# Altium PCB LoRaBoard.PcbDoc (part 1 of 2)
Units mm, origin at the board's own origin, x right, y up, seen from the top; angles counter-clockwise.
Board outline 96 x 92 mm, 2 copper layers (Top Layer, Bottom Layer), stack 1.56 mm thick; 150 components, 127 nets, 535 pads, 612 vias.
Unrouted connection lines stored in the file: 48.
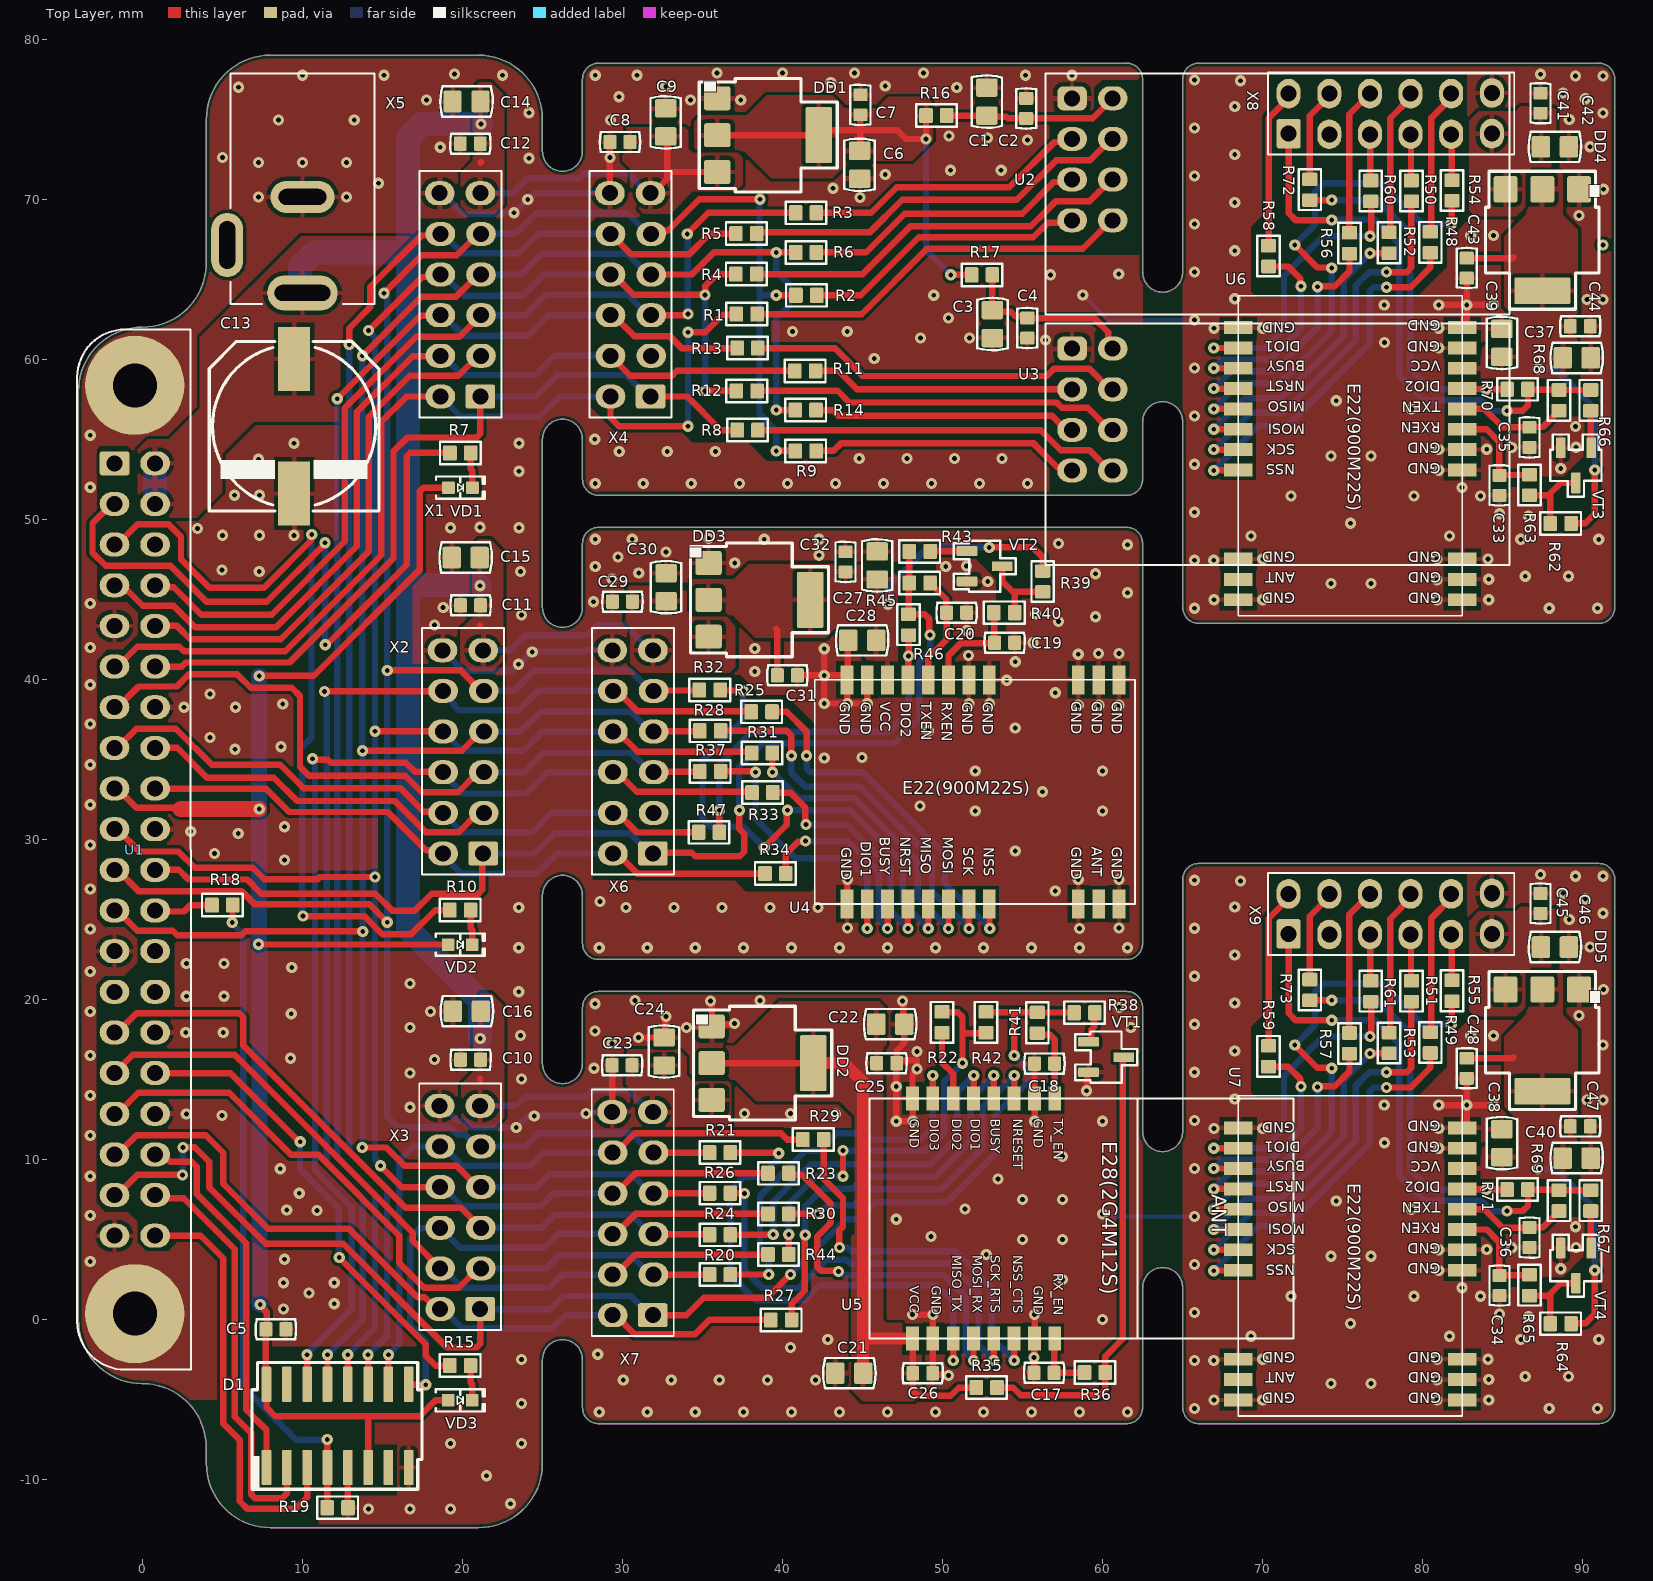
[diagram p0: Top Layer view]
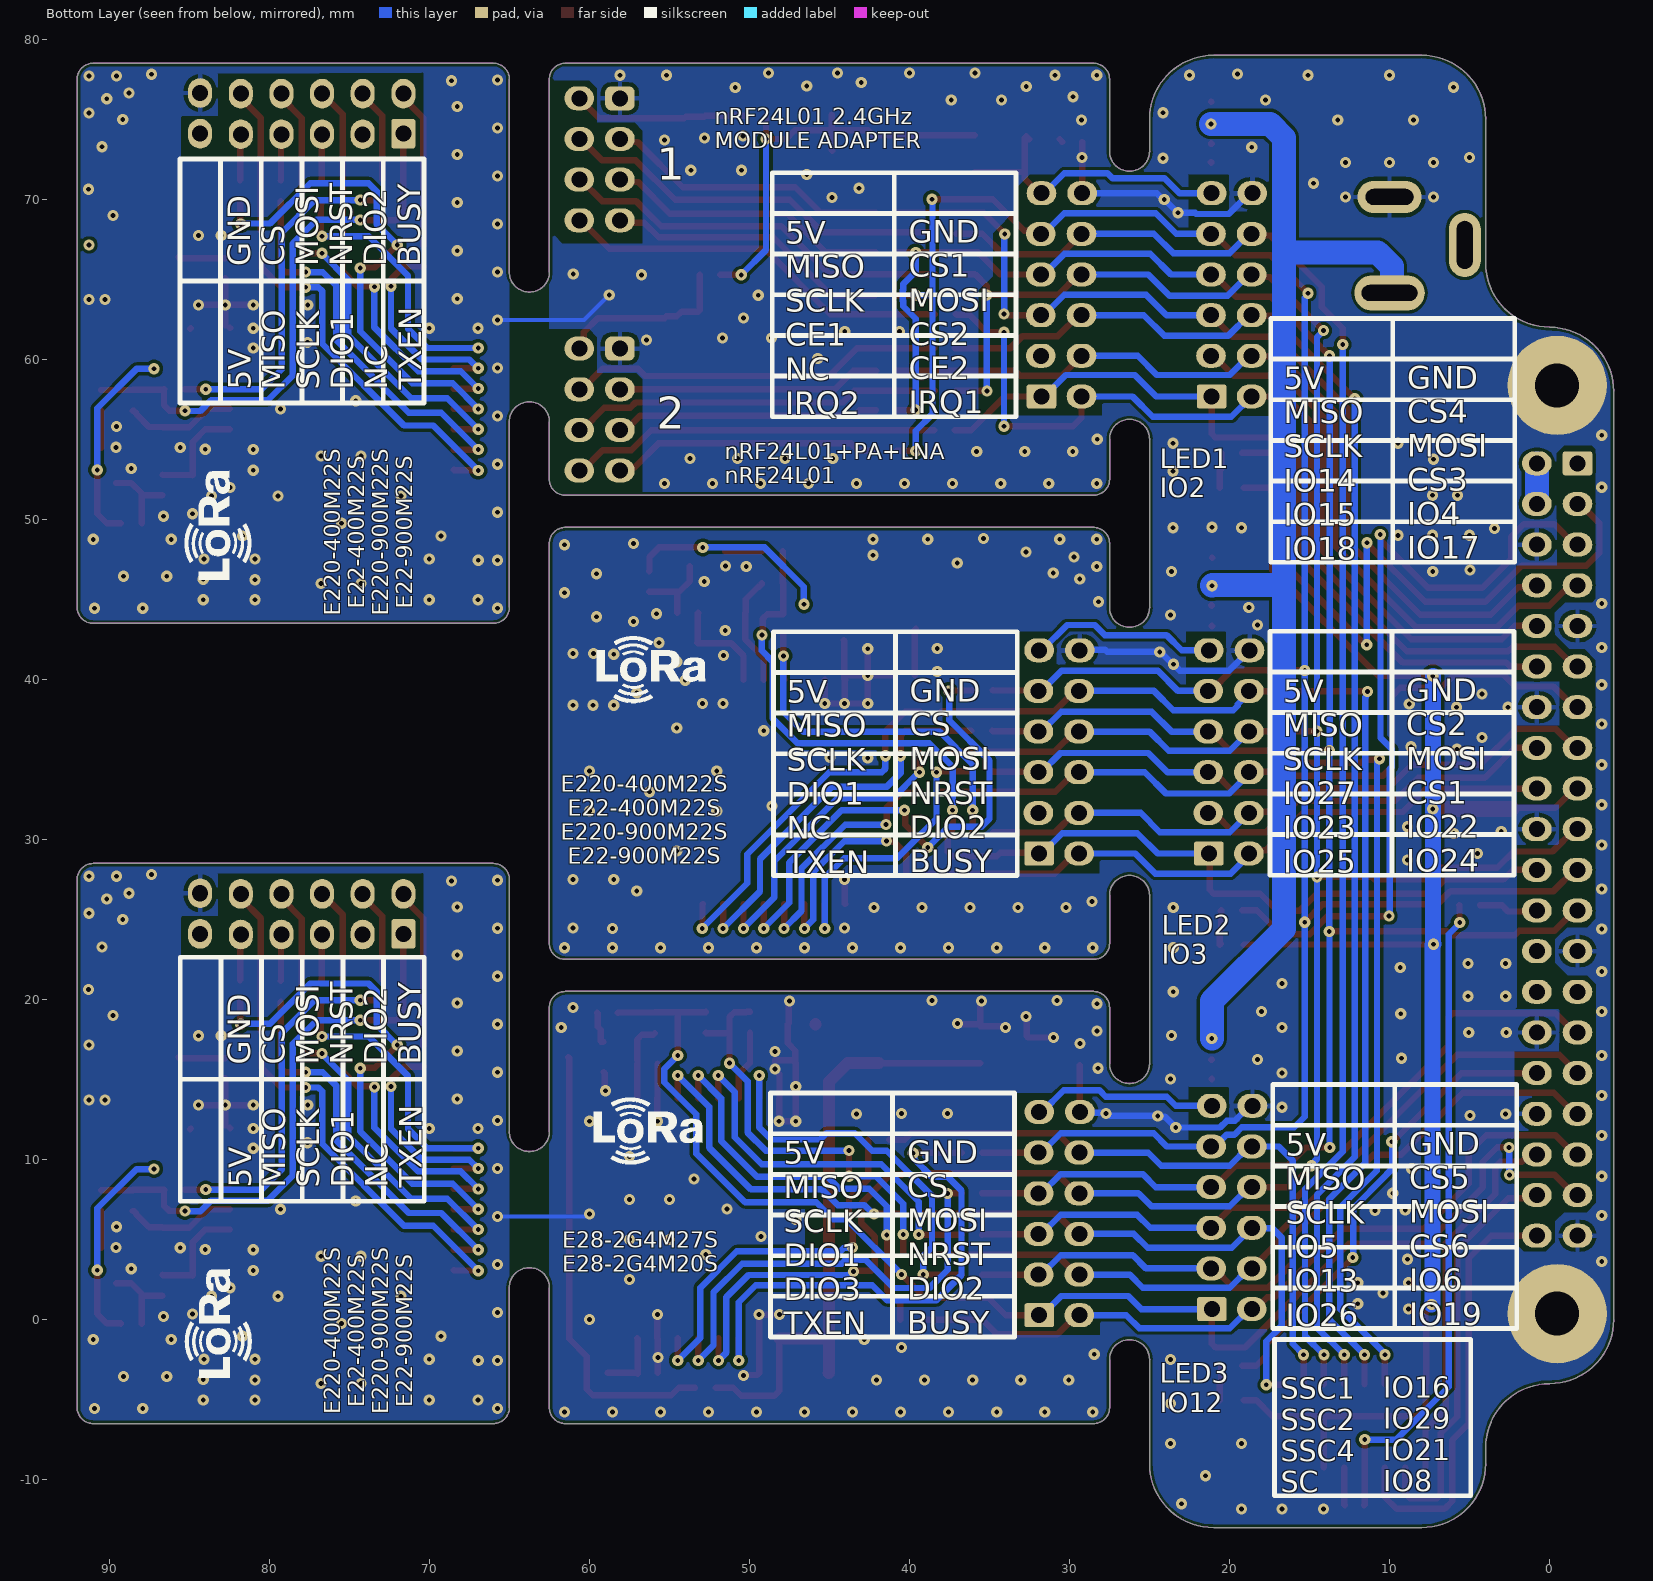
[diagram p1: Bottom Layer view, seen from below]
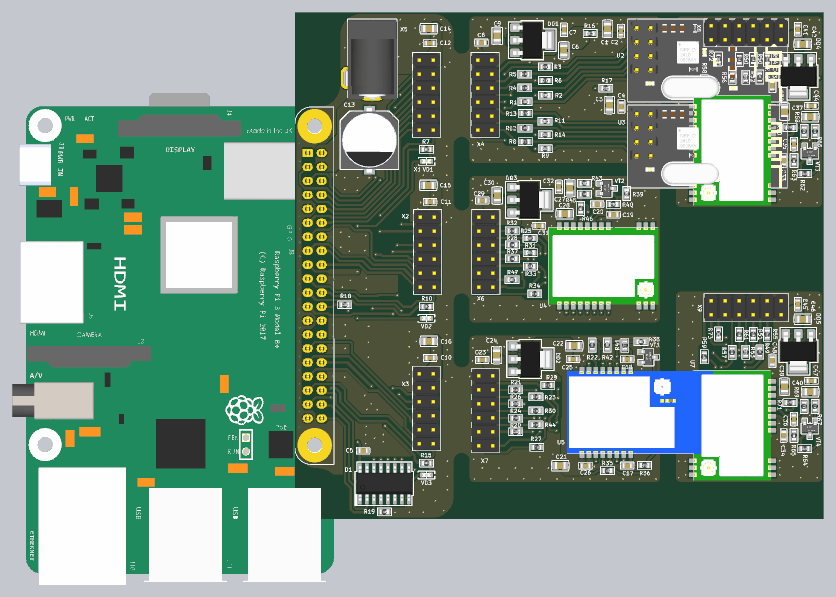
[diagram p3: 3D render of the assembled board from above, using the file's embedded part models]

## Layer stack, top to bottom
Top Solder: solder mask 0.01, Solder Resist, Dk 3.5
Top Layer: signal copper 0.035
Dielectric 1: core 1.49, Core-043, Dk 4.3
Bottom Layer: signal copper 0.035
Bottom Solder: solder mask 0.01, Solder Resist, Dk 3.5

## Board outline
4,-9 ccw(c8,-9) 8,-13 21,-13 ccw(c21,-9) 25,-9 25,-2.5 cw(c26.25,-2.5) 27.5,-2.5 27.5,-5.5 ccw(c28.5,-5.5) 28.5,-6.5 61.5,-6.5 ccw(c61.5,-5.5) 62.5,-5.5 62.5,2 cw(c63.75,2) 65,2 65,-5.5 ccw(c66,-5.5) 66,-6.5 91,-6.5 ccw(c91,-5.5) 92,-5.5 92,27.5 ccw(c91,27.5) 91,28.5 66,28.5 ccw(c66,27.5) 65,27.5 65,11.75 cw(c63.75,11.75) 62.5,11.75 62.5,19.5 ccw(c61.5,19.5) 61.5,20.5 28.5,20.5 ccw(c28.5,19.5) 27.5,19.5 27.5,15.985 27.5,16 cw(c26.25,16) 25,16 25,26.505 cw(c26.25,26.503) 27.5,26.5 27.5,23.5 ccw(c28.5,23.5) 28.5,22.5 61.5,22.5 ccw(c61.5,23.5) 62.5,23.5 62.5,48.5 ccw(c61.5,48.5) 61.5,49.5 28.5,49.5 ccw(c28.5,48.5) 27.5,48.5 27.5,44.5 cw(c26.25,44.5) 25,44.5 25,55 cw(c26.25,55) 27.5,55 27.5,52.5 ccw(c28.5,52.5) 28.5,51.5 61.5,51.5 ccw(c61.5,52.5) 62.5,52.5 62.5,56.1 cw(c63.75,56.1) 65,56.1 65,44.5 ccw(c66,44.5) 66,43.5 91,43.5 ccw(c91,44.5) 92,44.5 92,77.5 ccw(c91,77.5) 91,78.5 66,78.5 ccw(c66,77.5) 65,77.5 65,65.448 cw(c63.75,65.448) 62.5,65.448 62.5,77.5 ccw(c61.5,77.5) 61.5,78.5 28.5,78.5 ccw(c28.5,77.5) 27.5,77.5 27.5,73 cw(c26.25,73) 25,73 25,75 ccw(c21,75) 21,79 8,79 ccw(c8,75) 4,75 4,66.01 cw(c0,66.01) 0,62.01 ccw(c0.005,58.005) -4,58 -4,0 ccw(c0,0) 0,-4 cw(c0,-8) 4,-8

## Design rules (kind name [scope] priority, off if disabled: settings)
Clearance [All] p1: gap=0.2 ignorepadtopadclearanceinfootprint=FALSE except(0: Arc-Hole Track-Hole SMDPad-Hole THPad-Hole Via-Hole Fill-Hole Poly-Hole Region-Hole Text-Hole)
ComponentClearance [All] p1 off: gap=0.254 collisioncheckmode=3 verticalgap=0.254 showdistances=FALSE
HoleSize [All] p1: absolutevalues=TRUE maxlimit=4 minlimit=0.025 maxpercent=80.000 minpercent=20.000
HoleToHoleClearance [All] p1: gap=0.2 allowstackedmicrovias=TRUE
MinimumSolderMaskSliver [All] p1: minsoldermaskwidth=0.15
NetAntennae [All] p1 off: netantennaetolerance=0
PasteMaskExpansion [All] p1: expansion=0.02
PolygonConnect [All] p1: thpad.connectstyle=Relief thpad.reliefconductorwidth=0.3 thpad.reliefentries=4 thpad.polygonreliefangle="90 Angle" thpad.airgapwidth=0.254 smdpad.connectstyle=Relief smdpad.reliefconductorwidth=0.3 smdpad.reliefentries=4 smdpad.polygonreliefangle="90 Angle" smdpad.airgapwidth=0.254 via.connectstyle=Direct via.reliefconductorwidth=0.254 via.reliefentries=4 via.polygonreliefangle="90 Angle" via.airgapwidth=0.254
RoutingVias [All] p1: holewidth=2 width=1.5 viastyle="Through Hole" minholewidth=0.3 minwidth=0.6 maxholewidth=0.75 maxwidth=6
SilkToSilkClearance [All] p1 off: silktosilkclearance=0.254
SilkToSolderMaskClearance [IsPad] p1 off: minsilkscreentomaskgap=0.254 clearancetoexposedcopper=TRUE
SolderMaskExpansion [All] p1: expansion=0.02 istentingtop=FALSE
Width [All] p1: maxlimit=2 minlimit=0.25 preferedwidth=0.4
22 further rules are at their usual default settings.

## Classes and differential pairs
component class LoRaBoard_3: C33 C34 C35 C36 C37 C38 C39 C40 C41 C42 C43 C44 C45 C46 C47 C48 DD4 DD5 R48 R49 R50 R51 R52 R53 R54 R55 R56 R57 R58 R59 R60 R61 R62 R63 R64 R65 R66 R67 R68 R69 R70 R71 R72 R73 U6 U7 VT3 VT4 X8 X9
component class LoRaBoard_2: C17 C18 C19 C20 C21 C22 C23 C24 C25 C26 C27 C28 C29 C30 C31 C32 DD2 DD3 R20 R21 R22 R23 R24 R25 R26 R27 R28 R29 R30 R31 R32 R33 R34 R35 R36 R37 R38 R39 R40 R41 R42 R43 R44 R45 R46 R47 U4 U5 VT1 VT2 X6 X7
component class LoRaBoard_1: C1 C2 C3 C4 C5 C6 C7 C8 C9 C10 C11 C12 C13 C14 C15 C16 D1 DD1 R1 R2 R3 R4 R5 R6 R7 R8 R9 R10 R11 R12 R13 R14 R15 R16 R17 R18 R19 U1 U2 U3 VD1 VD2 VD3 X1 X2 X3 X4 X5

## Components (designator, comment, footprint, x,y, rotation, side; value= is the part's Value field where it differs from the comment)
C1 "10мкФ" "CAP 0805" 52.763,76.101 r270 top
C2 "100nF" "CAP 0603_1608 RF" 55.218,75.676 r270 top
C3 "10мкФ" "CAP 0805" 53.113,62.201 r90 top
C4 "100nF" "CAP 0603_1608 RF" 55.294,61.952 r90 top
C5 "100nF" "CAP 0603_1608 RF" 8.343,-0.61 r180 top
C6 "10мкФ" "CAP 0805" 44.818,72.151 r90 top
C7 "100nF" "CAP 0603_1608 RF" 44.868,75.901 r270 top
C8 "100nF" "CAP 0603_1608 RF" 29.838,73.576 r0 top
C9 "10мкФ" "CAP 0805" 32.7,74.8 r270 top
C10 "100nF" "CAP 0603_1608 RF" 20.508,16.243 r0 top
C11 "100nF" "CAP 0603_1608 RF" 20.508,44.621 r0 top
C12 "100nF" "CAP 0603_1608 RF" 20.49,73.477 r0 top
C13 "330 мкФ" "CAP ALSMD ELEC 10.5x10.0 mm" 9.483,55.817 r270 top
C14 "10мкФ" "CAP 0805" 20.256,76.108 r0 top
C15 "10мкФ" "CAP 0805" 20.202,47.613 r0 top
C16 "10мкФ" "CAP 0805" 20.278,19.266 r0 top
C17 "100nF" "CAP 0603_1608 RF" 56.341,-3.327 r0 top
C18 "100nF" "CAP 0603_1608 RF" 56.366,15.998 r180 top
C19 "100nF" "CAP 0603_1608 RF" 53.877,42.294 r180 top
C20 "100nF" "CAP 0603_1608 RF" 50.877,44.169 r0 top
C21 "10мкФ" "CAP 0805" 44.175,-3.35 r0 top
C22 "10мкФ" "CAP 0805" 46.73,18.458 r180 top
C23 "100nF" "CAP 0603_1608 RF" 29.976,15.883 r0 top
C24 "10мкФ" "CAP 0805" 32.6,16.75 r270 top
C25 "100nF" "CAP 0603_1608 RF" 46.505,16.023 r180 top
C26 "100nF" "CAP 0603_1608 RF" 48.766,-3.352 r180 top
C27 "10мкФ" "CAP 0805" 45.912,47.119 r270 top
C28 "10мкФ" "CAP 0805" 44.977,42.444 r0 top
C29 "100nF" "CAP 0603_1608 RF" 29.997,44.859 r0 top
C30 "10мкФ" "CAP 0805" 32.722,45.759 r270 top
C31 "100nF" "CAP 0603_1608 RF" 40.302,40.25 r180 top
C32 "100nF" "CAP 0603_1608 RF" 43.932,47.344 r270 top
C33 "100nF" "CAP 0603_1608 RF" 84.794,52.123 r90 top locked
C34 "100nF" "CAP 0603_1608 RF" 84.794,2.123 r90 top
C35 "100nF" "CAP 0603_1608 RF" 86.669,55.123 r270 top locked
C36 "100nF" "CAP 0603_1608 RF" 86.669,5.123 r270 top
C37 "10мкФ" "CAP 0805" 89.619,60.088 r180 top locked
C38 "10мкФ" "CAP 0805" 84.944,11.023 r270 top
C39 "10мкФ" "CAP 0805" 84.944,61.023 r270 top locked
C40 "10мкФ" "CAP 0805" 89.619,10.088 r180 top
C41 "100nF" "CAP 0603_1608 RF" 87.359,76.003 r270 top locked
C42 "10мкФ" "CAP 0805" 88.259,73.278 r180 top locked
C43 "100nF" "CAP 0603_1608 RF" 82.75,65.698 r90 top locked
C44 "100nF" "CAP 0603_1608 RF" 89.844,62.068 r180 top locked
C45 "100nF" "CAP 0603_1608 RF" 87.359,26.003 r270 top
C46 "10мкФ" "CAP 0805" 88.259,23.278 r180 top
C47 "100nF" "CAP 0603_1608 RF" 89.844,12.068 r180 top
C48 "100nF" "CAP 0603_1608 RF" 82.75,15.698 r90 top
D1 "74HC138D" SO-16 12.202,-6.642 r0 top
DD1 "LM1117MPX-3.3" SOT223 39.096,74.001 r270 top
DD2 "LM1117MPX-3.3" SOT223 38.743,16.023 r270 top
DD3 "LM1117MPX-3.3" SOT223 38.552,44.969 r270 top
DD4 "LM1117MPX-3.3" SOT223 87.469,67.448 r180 top locked
DD5 "LM1117MPX-3.3" SOT223 87.469,17.448 r180 top
R1 "100 Ом" "RES 0603_1608" 37.763,62.826 r180 top
R2 "100 Ом" "RES 0603_1608" 41.488,64.001 r180 top
R3 "100 Ом" "RES 0603_1608" 41.468,69.151 r0 top
R4 "100 Ом" "RES 0603_1608" 37.738,65.326 r180 top
R5 "100 Ом" "RES 0603_1608" 37.738,67.851 r0 top
R6 "100 Ом" "RES 0603_1608" 41.468,66.681 r180 top
R7 "470 Ом" "RES 0603_1608" 19.87,54.143 r0 top
R8 "100 Ом" "RES 0603_1608" 37.813,55.576 r180 top
R9 "100 Ом" "RES 0603_1608" 41.448,54.276 r180 top
R10 "470 Ом" "RES 0603_1608" 19.858,25.586 r0 top
R11 "100 Ом" "RES 0603_1608" 41.413,59.276 r0 top
R12 "100 Ом" "RES 0603_1608" 37.763,58.026 r180 top
R13 "100 Ом" "RES 0603_1608" 37.813,60.701 r0 top
R14 "100 Ом" "RES 0603_1608" 41.443,56.826 r180 top
R15 "470 Ом" "RES 0603_1608" 19.86,-2.877 r0 top
R16 "100 Ом" "RES 0603_1608" 49.613,75.226 r0 top
R17 "100 Ом" "RES 0603_1608" 52.463,65.276 r0 top
R18 "1 кОм" "RES 0603_1608" 5,25.9 r180 top
R19 "1 кОм" "RES 0603_1608" 12.202,-11.754 r0 top
R20 "100 Ом" "RES 0603_1608" 36.091,2.813 r180 top
R21 "100 Ом" "RES 0603_1608" 36.091,10.433 r0 top
R22 "100 Ом" "RES 0603_1608" 49.966,18.573 r90 top
R23 "100 Ом" "RES 0603_1608" 39.741,9.143 r0 top
R24 "100 Ом" "RES 0603_1608" 36.091,5.298 r180 top
R25 "100 Ом" "RES 0603_1608" 38.693,37.974 r180 top
R26 "100 Ом" "RES 0603_1608" 36.091,7.898 r0 top
R27 "100 Ом" "RES 0603_1608" 39.916,-0.018 r180 top
R28 "100 Ом" "RES 0603_1608" 35.479,36.789 r180 top
R29 "100 Ом" "RES 0603_1608" 41.918,11.248 r0 top
R30 "100 Ом" "RES 0603_1608" 39.741,6.603 r180 top
R31 "100 Ом" "RES 0603_1608" 38.718,35.399 r180 top
R32 "100 Ом" "RES 0603_1608" 35.454,39.329 r180 top
R33 "100 Ом" "RES 0603_1608" 38.743,32.924 r180 top
R34 "100 Ом" "RES 0603_1608" 39.552,27.869 r180 top
R35 "100 кОм" "RES 0603_1608" 52.75,-4.25 r0 top
R36 "100 Ом" "RES 0603_1608" 59.516,-3.304 r180 top
R37 "100 Ом" "RES 0603_1608" 35.479,34.249 r180 top
R38 "1 кОм" "RES 0603_1608" 58.866,19.173 r0 top
R39 "100 кОм" "RES 0603_1608" 56.256,46.119 r270 top
R40 "100 Ом" "RES 0603_1608" 53.852,44.169 r180 top
R41 "100 Ом" "RES 0603_1608" 55.916,18.548 r270 top
R42 "1 кОм" "RES 0603_1608" 52.716,18.573 r90 top
R43 "1 кОм" "RES 0603_1608" 48.567,47.994 r0 top
R44 "100 Ом" "RES 0603_1608" 39.741,4.063 r0 top
R45 "100 Ом" "RES 0603_1608" 48.567,46.019 r0 top
R46 "1 кОм" "RES 0603_1608" 47.877,43.419 r90 top
R47 "100 Ом" "RES 0603_1608" 35.404,30.444 r0 top
R48 "100 Ом" "RES 0603_1608" 80.474,67.307 r90 top locked
R49 "100 Ом" "RES 0603_1608" 80.474,17.307 r90 top
R50 "100 Ом" "RES 0603_1608" 79.289,70.521 r90 top locked
R51 "100 Ом" "RES 0603_1608" 79.289,20.522 r90 top
R52 "100 Ом" "RES 0603_1608" 77.899,67.282 r90 top locked
R53 "100 Ом" "RES 0603_1608" 77.899,17.282 r90 top
R54 "100 Ом" "RES 0603_1608" 81.829,70.546 r90 top locked
R55 "100 Ом" "RES 0603_1608" 81.829,20.547 r90 top
R56 "100 Ом" "RES 0603_1608" 75.424,67.257 r90 top locked
R57 "100 Ом" "RES 0603_1608" 75.424,17.257 r90 top
R58 "100 Ом" "RES 0603_1608" 70.369,66.448 r90 top locked
R59 "100 Ом" "RES 0603_1608" 70.369,16.448 r90 top
R60 "100 Ом" "RES 0603_1608" 76.749,70.521 r90 top locked
R61 "100 Ом" "RES 0603_1608" 76.749,20.522 r90 top
R62 "100 кОм" "RES 0603_1608" 88.619,49.744 r180 top locked
R63 "100 Ом" "RES 0603_1608" 86.669,52.148 r90 top locked
R64 "100 кОм" "RES 0603_1608" 88.619,-0.256 r180 top
R65 "100 Ом" "RES 0603_1608" 86.669,2.148 r90 top
R66 "1 кОм" "RES 0603_1608" 90.494,57.433 r270 top locked
R67 "1 кОм" "RES 0603_1608" 90.494,7.433 r270 top
R68 "100 Ом" "RES 0603_1608" 88.519,57.433 r270 top locked
R69 "100 Ом" "RES 0603_1608" 88.519,7.433 r270 top
R70 "1 кОм" "RES 0603_1608" 85.919,58.123 r0 top locked
R71 "1 кОм" "RES 0603_1608" 85.919,8.123 r0 top
R72 "100 Ом" "RES 0603_1608" 72.944,70.596 r270 top locked
R73 "100 Ом" "RES 0603_1608" 72.944,20.597 r270 top
U1 "RASPBERRYPI3_B+" MODULE_RASPBERRYPI3_B+ -0.47,29.37 r270 top locked
U2 "NRF24L01P-MODULE-PCB" NRF24L01P-MODULE 73.376,70.636 r0 top
U3 "NRF24L01P-MODULE-PCB" NRF24L01P-MODULE 73.373,54.997 r0 top
U4 "E22-900M22S" "E22 900M22S" 61.022,39.969 r0 top
U5 "E28-2G4M20S" "E28 2G4M20S" 52.566,6.323 r0 top
U6 "E22-900M22S" "E22 900M22S" 82.469,44.978 r270 top locked
U7 "E22-900M22S" "E22 900M22S" 82.469,-5.022 r270 top
VD1 "LED SMD GREEN" "LED 0603_1608 GREEN" 19.87,51.978 r0 top value=GREEN
VD2 "LED SMD GREEN" "LED 0603_1608 GREEN" 19.858,23.421 r0 top value=GREEN
VD3 "LED SMD GREEN" "LED 0603_1608 GREEN" 19.86,-5.041 r0 top value=GREEN
VT1 "2N7002" SOT23-3 60.216,16.398 r270 top
VT2 "2N7002" SOT23-3 52.627,47.069 r270 top
VT3 "2N7002" SOT23-3 89.569,53.373 r180 top locked
VT4 "2N7002" SOT23-3 89.569,3.373 r180 top
X1 "PLD-12 (DS1021-2x6)" PLD_12_elipse 19.87,64.026 r180 top value=PLD-12
X2 "PLD-12 (DS1021-2x6)" PLD_12_elipse 20.045,35.469 r180 top value=PLD-12
X3 "PLD-12 (DS1021-2x6)" PLD_12_elipse 19.86,7.007 r180 top value=PLD-12
X4 "PLD-12 (DS1021-2x6)" PLD_12_elipse 30.503,64.026 r180 top value=PLD-12
X5 "DC-005-5A-2.5" DC-005-5A-2.5 10.004,70.143 r270 top
X6 "PLD-12 (DS1021-2x6)" PLD_12_elipse 30.652,35.469 r180 top value=PLD-12
X7 "PLD-12 (DS1021-2x6)" PLD_12_elipse 30.641,6.623 r180 top value=PLD-12
X8 "PLD-12 (DS1021-2x6)" PLD_12_elipse 77.969,75.348 r90 top locked value=PLD-12
X9 "PLD-12 (DS1021-2x6)" PLD_12_elipse 77.969,25.348 r90 top value=PLD-12
